# Altium PCB DM0255.PcbDoc
Units mm, origin at the board's own origin, x right, y up, seen from the top; angles counter-clockwise.
Board outline 28 x 23.86 mm, 4 copper layers (Top Copper, Signal Layer 1, Layer 1, Bottom Layer), stack 1.602 mm thick; 53 components, 28 nets, 182 pads, 122 vias.
Unrouted connection lines stored in the file: 43.
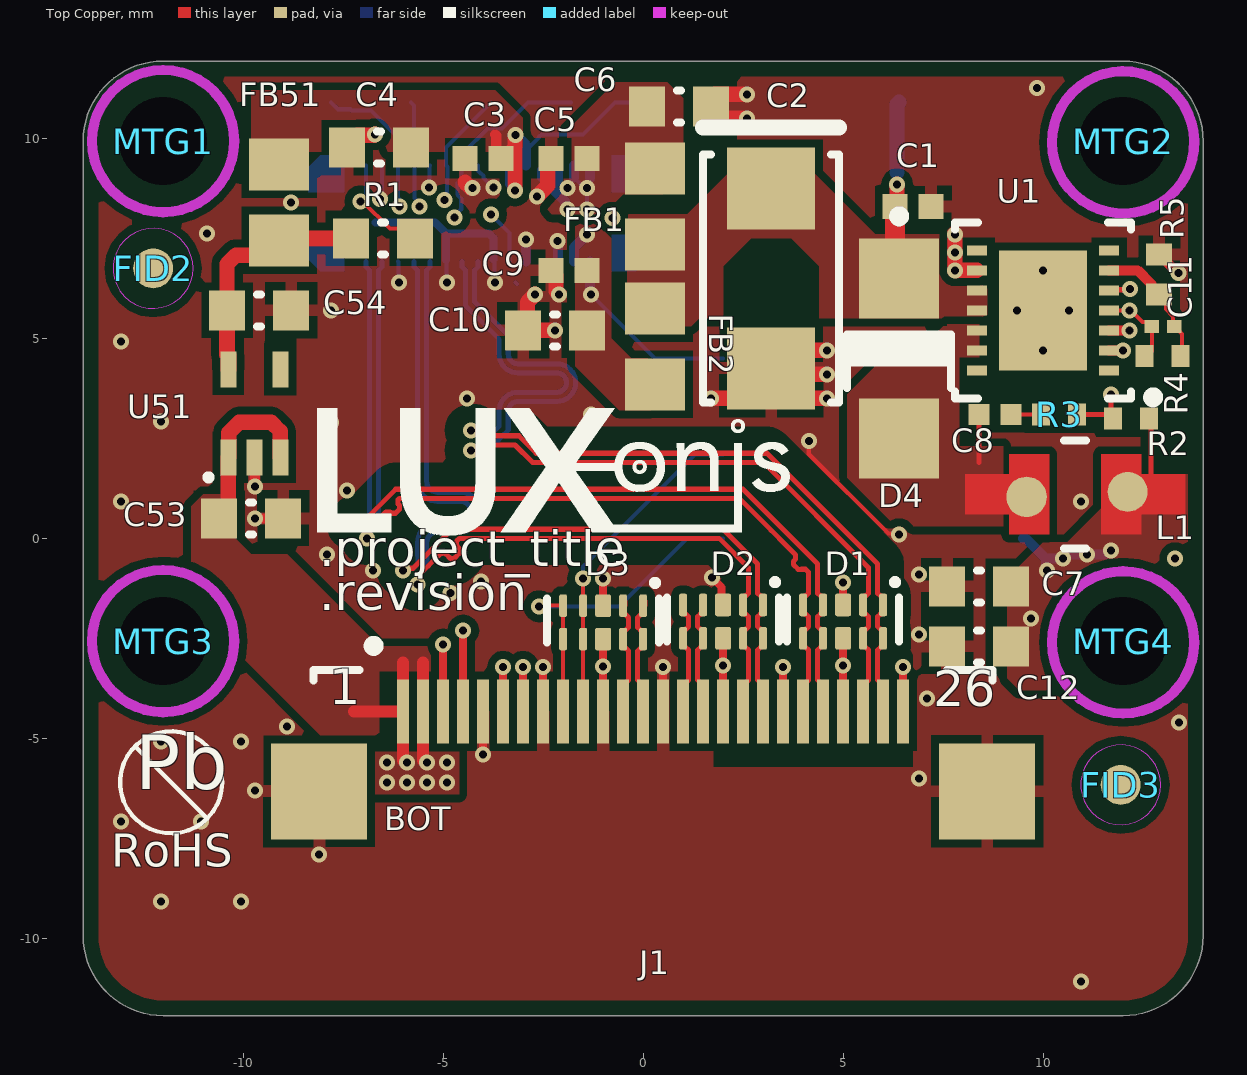
[diagram p0: Top Copper view]
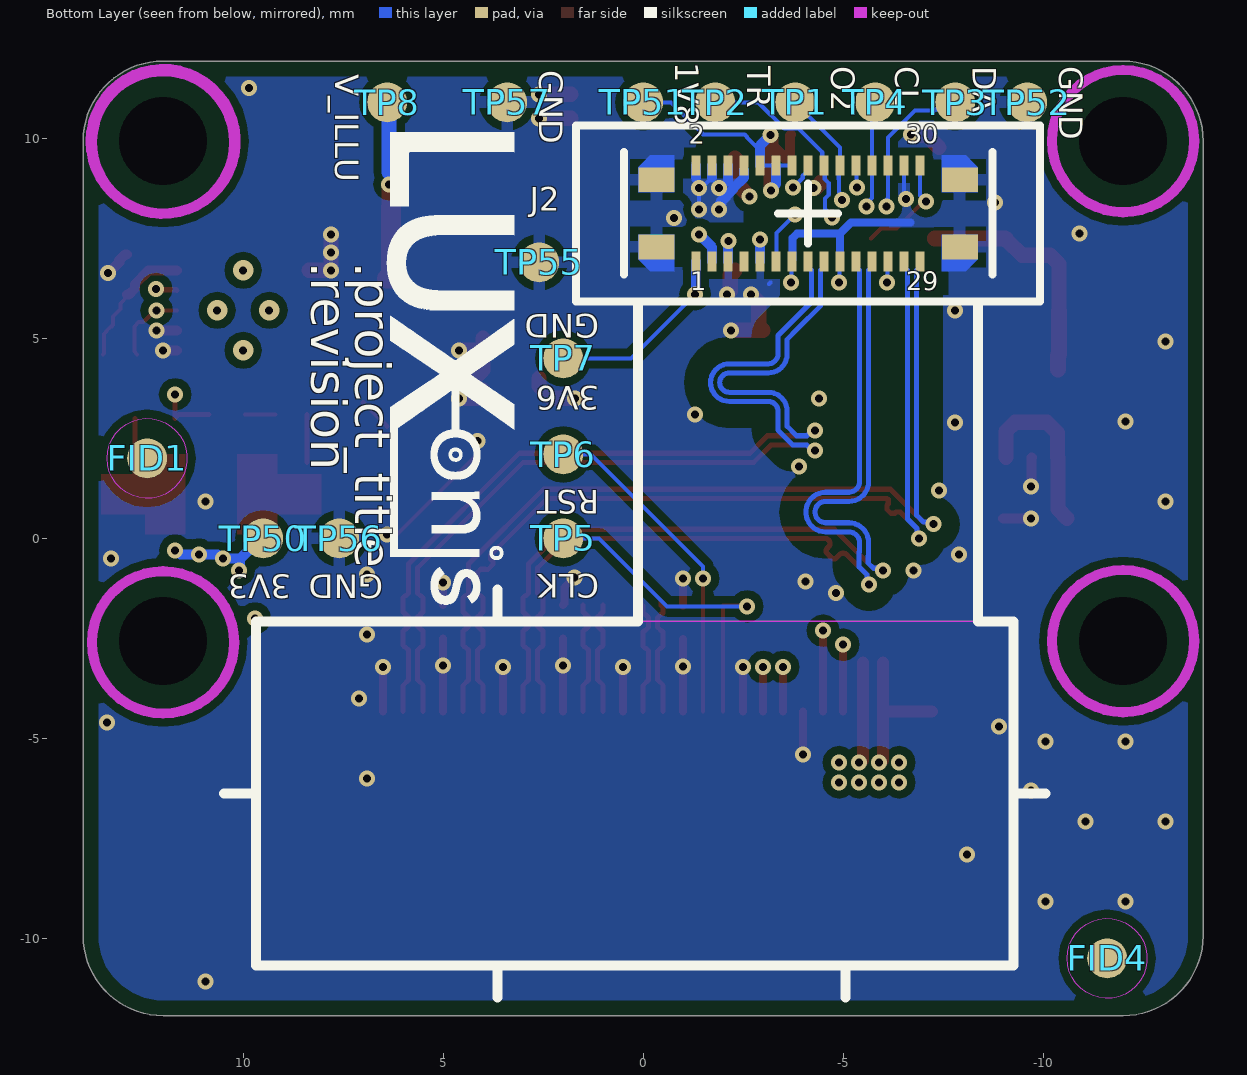
[diagram p1: Bottom Layer view, seen from below]
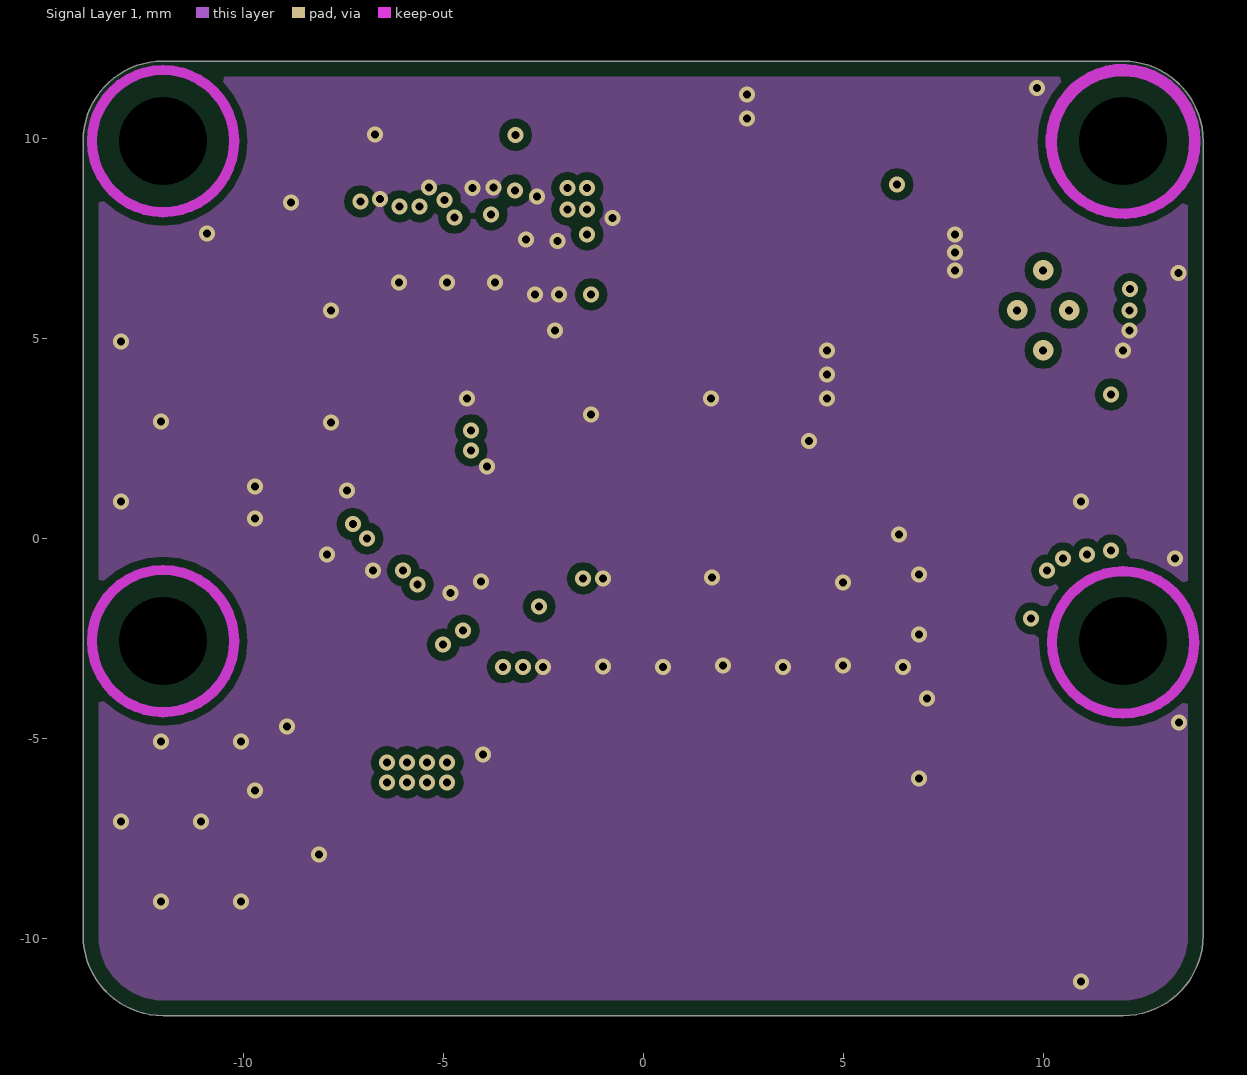
[diagram p2: Signal Layer 1]
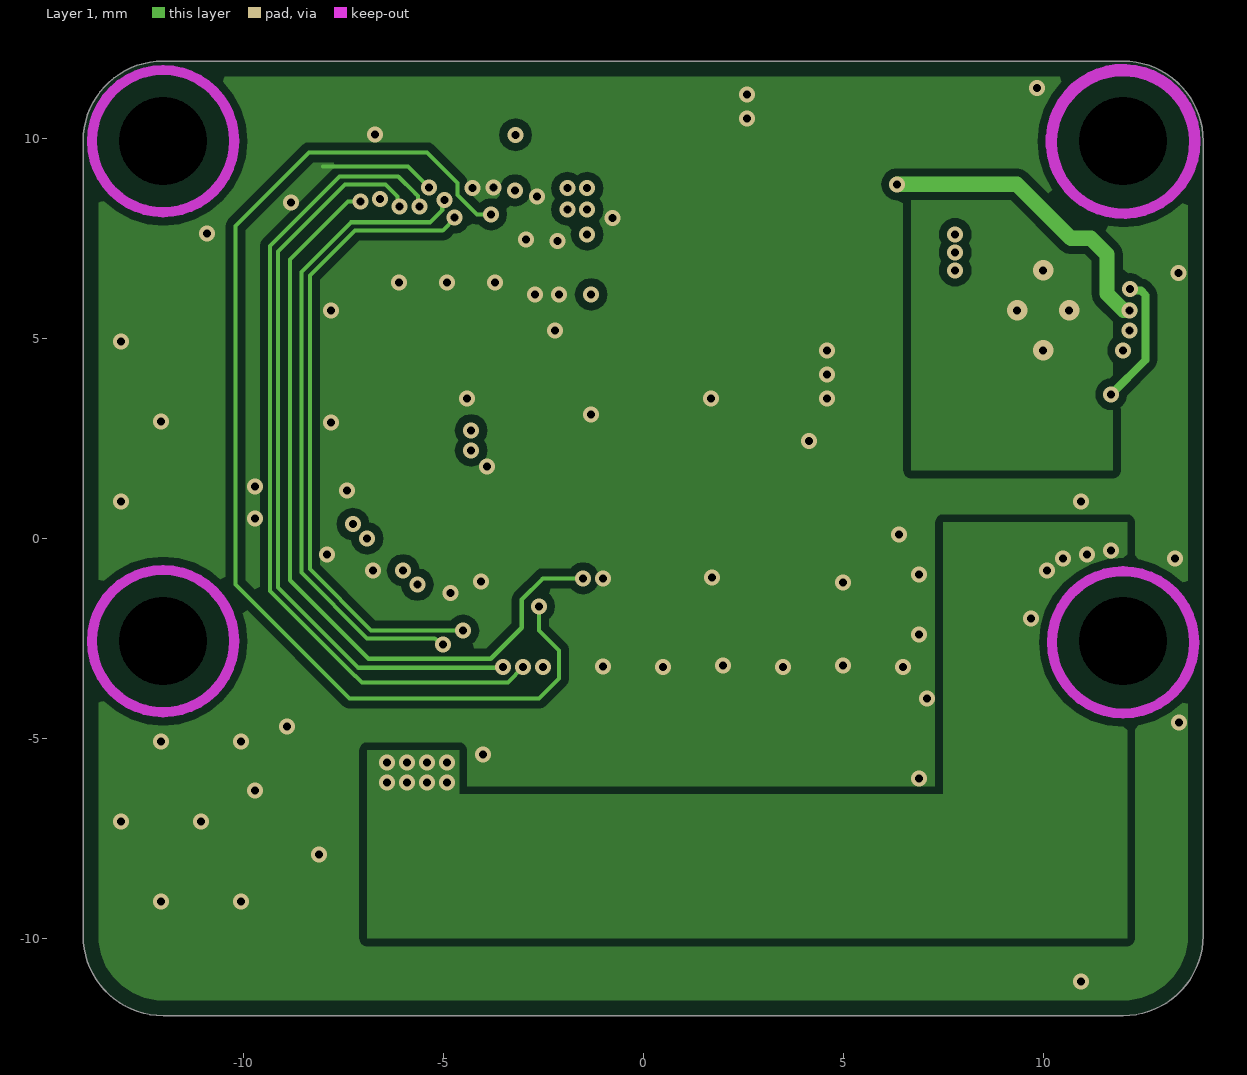
[diagram p3: Layer 1]

## Layer stack, top to bottom
Top Mask: solder mask 0.018, Solder Resist, Dk 4.2
Top Copper: signal copper 0.0356
Dielectric 1: prepreg 0.18, PP-021, Dk 4.2
Signal Layer 1: signal copper 0.0356
Core: core 1.1, Core-042, Dk 4.2
Layer 1: signal copper 0.0356
Dielectric 2: prepreg 0.18, PP-021, Dk 4.2
Bottom Layer: signal copper 0.0356
Bottom Solder: solder mask 0.018, Solder Resist, Dk 4.2

## Board outline
-14,-9.931 -14,9.931 cw(c-12,9.931) -12,11.931 12,11.931 cw(c12,9.931) 14,9.931 14,-9.931 cw(c12,-9.931) 12,-11.931 -12,-11.931 cw(c-12,-9.931)

## Design rules (kind name [scope] priority, off if disabled: settings)
AssemblyTestPointUsage [All] p1 off:
AssemblyTestpoint [All] p1 off: testpointundercomponent=TRUE minsize=1.016 maxsize=2.54 preferedsize=1.524 minholesize=0 maxholesize=1.016 preferedholesize=0.813 testpointgrid=0.025 usegrid=TRUE gridtolerance=0 allowsidetop=TRUE allowsidebottom=TRUE
BoardOutlineClearance [All] p1: gap=0.381 ignorepadtopadclearanceinfootprint=FALSE
Clearance "0.6plane clearence" [InPolygon vs InNetClass('SENSORMIPI')] p1: gap=0.6 ignorepadtopadclearanceinfootprint=FALSE except(0: Arc-Hole Track-Hole SMDPad-Hole THPad-Hole Via-Hole Fill-Hole Poly-Hole Region-Hole Text-Hole; 0.2: Arc-Via Track-Via SMDPad-Via THPad-Via Via-Via Via-Fill Via-Poly Via-Region Via-Text)
Clearance Poly [InPolygon] p2: gap=0.2 ignorepadtopadclearanceinfootprint=FALSE except(0: Arc-Hole Track-Hole SMDPad-Hole THPad-Hole Via-Hole Fill-Hole Poly-Hole Region-Hole Text-Hole)
Clearance [All] p3: gap=0.1 ignorepadtopadclearanceinfootprint=FALSE except(0: Arc-Hole Track-Hole SMDPad-Hole THPad-Hole Via-Hole Fill-Hole Poly-Hole Region-Hole Text-Hole)
ComponentClearance [All] p1 off: gap=0.254 collisioncheckmode=3 verticalgap=0.254 showdistances=FALSE
DiffPairsRouting DiffPair_SENSORMIPI_DiffPairsRouting [InDifferentialPairClass('SENSORMIPI')] p1: maxlimit=0.254 minlimit=0.102 mostfreqgap=0.254 toplayer_maxgap=0.102 toplayer_prefgap=0.102 toplayer_minwidth=0.127 toplayer_maxwidth=0.127 toplayer_prefwidth=0.127 bottomlayer_maxgap=0.102 bottomlayer_prefgap=0.102 bottomlayer_minwidth=0.127 bottomlayer_maxwidth=0.127 bottomlayer_prefwidth=0.127 impedanceprofiledriven=TRUE impedanceprofileid={A69A43D8-E903-443C-922A-36361071E35C} impedanceprofilevalue=100.000000 maxuncoupledlength=12.7
DiffPairsRouting [All] p2: maxlimit=0.254 minlimit=0.102 mostfreqgap=0.254 toplayer_maxgap=0.102 toplayer_prefgap=0.102 toplayer_minwidth=0.127 toplayer_maxwidth=0.127 toplayer_prefwidth=0.127 bottomlayer_maxgap=0.102 bottomlayer_prefgap=0.102 bottomlayer_minwidth=0.127 bottomlayer_maxwidth=0.127 bottomlayer_prefwidth=0.127 impedanceprofiledriven=TRUE impedanceprofileid={A69A43D8-E903-443C-922A-36361071E35C} impedanceprofilevalue=100.000000 maxuncoupledlength=12.7
FabricationTestPointUsage [All] p1 off: valid=0 allowmultiple=FALSE
FabricationTestpoint [All] p1 off: side=3 testpointundercomponent=TRUE minsize=1.016 maxsize=2.54 preferedsize=1.524 minholesize=0 maxholesize=1.016 preferedholesize=0.813 testpointgrid=0.025 allowsidetop=TRUE allowsidebottom=TRUE usegrid=TRUE gridtolerance=0
FanoutControl Fanout_BGA [IsBGA] p1 off: bgadir=Out bgaviamode=Centered fanoutstyle=Auto fanoutdirection=Alternating viagrid=0.025 // Fanout_BGA (Default Rule)
FanoutControl Fanout_LCC [IsLCC] p2 off: bgadir=Out bgaviamode=Centered fanoutstyle=Auto fanoutdirection=Alternating viagrid=0.025 // Fanout_LCC (Default Rule)
FanoutControl Fanout_SOIC [IsSOIC] p3 off: bgadir=Out bgaviamode=Centered fanoutstyle=Auto fanoutdirection=Alternating viagrid=0.025 // Fanout_SOIC (Default Rule)
FanoutControl Fanout_Small [(CompPinCount < 5)] p4 off: bgadir=Out bgaviamode=Centered fanoutstyle=Auto fanoutdirection=OutThenIn viagrid=0.025 // Fanout_Small (Default Rule)
FanoutControl Fanout_Default [All] p5 off: bgadir=Out bgaviamode=Centered fanoutstyle=Auto fanoutdirection=Alternating viagrid=0.025 // Fanout_Default (Default Rule)
Height [All] p1 off: minheight=0 maxheight=25.4 prefheight=12.7
HoleSize [All] p1 off: absolutevalues=TRUE maxlimit=2.54 minlimit=0.13 maxpercent=80.000 minpercent=20.000
HoleToHoleClearance [All] p1: gap=0.21 allowstackedmicrovias=TRUE
LayerPairs [All] p1 off: enforce=TRUE
Length "InNet('CAM1_C_P') Or InNet('CAM1_D1_P')" [InNet('CAM1_C_P') Or InNet('CAM1_D1_P')] p1: maxlimit=40.882 minlimit=0
MatchedLengths MatchedLengths-SENSORMIPI [InNetClass('SENSORMIPI')] p1: tolerance=0.25 checknetsindiffpair=TRUE checkdiffpairvsdiffpair=FALSE checkxsignals=FALSE checkothers=FALSE usedelayunits=TRUE delaytolerance=0.500000
MatchedLengths DiffPair_SENSORMIPI_MatchedLengths [InNetClass('SENSORMIPI')] p2: tolerance=0.5 checknetsindiffpair=FALSE checkdiffpairvsdiffpair=TRUE checkxsignals=TRUE checkothers=TRUE usedelayunits=TRUE delaytolerance=1.000000
MinimumSolderMaskSliver [All] p1 off: minsoldermaskwidth=0.254
PasteMaskExpansion [All] p1 off: expansion=0
PlaneClearance [All] p1: clearance=0.2
PlaneConnect via [IsVia] p1: planeconnectstyle=Direct reliefexpansion=0.508 reliefentries=4 reliefconductorwidth=0.254 reliefairgap=0.254
PlaneConnect [All] p2: planeconnectstyle=Relief reliefexpansion=0.3 reliefentries=4 reliefconductorwidth=0.4 reliefairgap=0.3
PolygonConnect PolygonConnect_pwr [InNet('NetC8_2') or InNet('V_ILLU') or InNet('3V6') or InNet('NetL2_1') or InNet('3V3') or InNet('V_ILLU_M')or InNet('3V6_M')or InNet('1V8_M')] p1: connectstyle=Direct reliefconductorwidth=0.254 reliefentries=4 polygonreliefangle="90 Angle" airgapwidth=0.254
PolygonConnect [All] p2: thpad.connectstyle=Direct thpad.reliefconductorwidth=0.3 thpad.reliefentries=4 thpad.polygonreliefangle="90 Angle" thpad.airgapwidth=0.2 smdpad.connectstyle=Relief smdpad.reliefconductorwidth=0.3 smdpad.reliefentries=4 smdpad.polygonreliefangle="90 Angle" smdpad.airgapwidth=0.2 via.connectstyle=Direct via.reliefconductorwidth=0.3 via.reliefentries=4 via.polygonreliefangle="90 Angle" via.airgapwidth=0.2
RoomDefinition DM0255_MTP006 [InComponentClass('DM0255_MTP006')] p1: confinementstyle=ConfineIn formatcopy=TRUE lockcomponents=FALSE outline -195.055,-73.08 -144.255,-73.08 -144.255,-47.68 -195.055,-47.68
RoomDefinition DM0255_Power [InComponentClass('DM0255_Power')] p2: confinementstyle=ConfineIn formatcopy=TRUE lockcomponents=FALSE outline -195.055,-73.08 -144.255,-73.08 -144.255,-47.68 -195.055,-47.68
RoutingCorners [All] p1 off: cornerstyle=45-Degree minsetback=2.54 maxsetback=2.54
RoutingPriority [All] p1 off: routingpriority=0
RoutingTopology [All] p1 off: topology=Shortest
RoutingVias RoutingVias_Diff [All] p1: holewidth=0.711 width=1.27 viastyle="Through Hole" minholewidth=0.711 minwidth=1.27 maxholewidth=0.711 maxwidth=1.27 useviatemplates=TRUE viatemplateguid#1={CE315756-BE6D-4D2C-8851-188A06EDA881} viatemplatename#1=v40h20m0mx0
RoutingVias [All] p2: holewidth=0.15 width=0.275 viastyle="Through Hole" minholewidth=0.2 minwidth=0.41 maxholewidth=1 maxwidth=2
SMDNeckDown [All] p1 off: percent=50.000
SilkToSilkClearance [All] p1 off: silktosilkclearance=0.254
SilkToSolderMaskClearance SilkscreenOverComponentPads [IsPad] p1 off: minsilkscreentomaskgap=0.254 clearancetoexposedcopper=TRUE
SolderMaskExpansion [All] p1 off: expansion=0.102 istentingtop=FALSE
Width [All] p1: maxlimit=5 minlimit=0.1 preferedwidth=0.1 minimp=50.000000 maximp=50.000000 favimp=50.000000
6 further rules are at their usual default settings.

## Classes and differential pairs
component class DM0255_MTP006: C3 C4 C5 C6 C9 C10 D1 D2 D3 FID1 FID2 FID3 FID4 J1 J2 MTG1 MTG2 MTG3 MTG4 R1 TP1 TP2 TP3 TP4 TP5 TP6
component class DM0255_Power: C1 C2 C7 C8 C11 C12 C53 C54 D4 FB1 FB2 FB51 L1 R2 R3 R4 R5 TP7 TP8 TP50 TP51 TP52 TP55 TP56 TP57 U1 U51
net class SENSORMIPI: MIPI_C_N MIPI_C_P MIPI_D0_N MIPI_D0_P MIPI_D1_N MIPI_D1_P
differential pair MIPI_C: +MIPI_C_P -MIPI_C_N
differential pair MIPI_D0: +MIPI_D0_P -MIPI_D0_N
differential pair MIPI_D1: +MIPI_D1_P -MIPI_D1_N
differential pair MIPI_D2: +MIPI_D2_P -MIPI_D2_N
differential pair MIPI_D3: +MIPI_D3_P -MIPI_D3_N

## Components (designator, comment, footprint, x,y, rotation, side; value= is the part's Value field where it differs from the comment)
C1 "4.7uF 0402" CAPC0402(1005)70_N 6.75,8.3 r180 top
C2 "TAJC107K010RNJ" AVX-TAJ-C-2_L 3.2,6.5 r270 top
C3 "0.1uF 0402" CAPC0402(1005)70_N -4,9.5 r0 top
C4 "10uF 0603" CAPC0603(1608)100_N -6.6,9.77 r0 top
C5 "0.1uF 0402" CAPC0402(1005)70_N -1.85,9.5 r0 top
C6 "10uF 0603" CAPC0603(1608)100_N 0.9,10.8 r180 top
C7 "22uF 0603" CAPC0603(1608)100_N 8.4,-1.2 r0 top
C8 "3.3pF 0402" CAPC0402(1005)60_L 8.8,3.1 r180 top
C9 "0.1uF 0402" CAPC0402(1005)70_N -1.85,6.7 r0 top
C10 "10uF 0603" CAPC0603(1608)100_N -2.2,5.2 r0 top
C11 "33pF 0201" CAPC0201(0603)33_L 13,5.3 r180 top
C12 "22uF 0603" CAPC0603(1608)100_N 8.4,-2.7 r0 top
C53 "10uF 0603" CAPC0603(1608)100_N -9.8,0.5 r180 top
C54 "10uF 0603" CAPC0603(1608)100_N -9.6,5.7 r180 top
D1 "TPD4E02B04DQAR" TPD4E02B04DQAR 5,-2.083 r180 top
D2 "TPD4E02B04DQAR" TPD4E02B04DQAR 2,-2.083 r180 top
D3 "TPD4E02B04DQAR" TPD4E02B04DQAR -1,-2.1 r180 top
D4 "MBRA340T3G" ONSC-SMA-2-403D-02_F_V 6.4,4.5 r270 top
FB1 "600R/100MHz" 2508056017Y2 0.3,8.3 r90 top
FB2 "600R/100MHz" 2508056017Y2 0.3,4.8 r270 top
FB51 "600R/100MHz" 2508056017Y2 -9.1,8.4 r90 top
FID1 "FIDUCIAL_ROUND_1MM" FIDUCIAL_ROUND_1MM 12.4,2 r180 bottom
FID2 "FIDUCIAL_ROUND_1MM" FIDUCIAL_ROUND_1MM -12.25,6.75 r90 top
FID3 "FIDUCIAL_ROUND_1MM" FIDUCIAL_ROUND_1MM 11.94,-6.16 r90 top
FID4 "FIDUCIAL_ROUND_1MM" FIDUCIAL_ROUND_1MM -11.6,-10.5 r90 bottom
J1 "FLEX CONNECTOR, 0.50MM PITCH, HE" F32R-1A7H1-11026 0.25,-5 r0 top
J2 "AXE530127" AXE530127 -4.125,8.125 r0 bottom locked
L1 "LQH32MN4R7K23L" FP-LQH32CH_23-MFG 10.8,1.1 r180 top
MTG1 "MOUNTING_HOLE_M2_RPI_CAM" MOUNTING_HOLE_M2_RPI_CAM -12,9.931 r90 top
MTG2 "MOUNTING_HOLE_M2_RPI_CAM" MOUNTING_HOLE_M2_RPI_CAM 12,9.931 r90 top locked
MTG3 "MOUNTING_HOLE_M2_RPI_CAM" MOUNTING_HOLE_M2_RPI_CAM -12,-2.569 r90 top
MTG4 "MOUNTING_HOLE_M2_RPI_CAM" MOUNTING_HOLE_M2_RPI_CAM 12,-2.569 r90 top locked
R1 "10K 0603" RESC0603(1608)_N -6.5,7.5 r180 top
R2 "90.9K 0402" RESC0402(1005)_L 12.2,3 r0 top
R3 "35.7K 0402" RESC0402(1005)_L 10.4,3.1 r180 top
R4 "40.2K 0402" RESC0402(1005)_L 12.982,4.553 r180 top
R5 "22.1K 0402" RESC0402(1005)_N 12.9,6.6 r270 top
TP1 "TP100_200_NS" TP100_200_NS -3.8,10.9 r180 bottom
TP2 "TP100_200_NS" TP100_200_NS -1.8,10.9 r180 bottom
TP3 "TP100_200_NS" TP100_200_NS -7.8,10.9 r90 bottom
TP4 "TP100_200_NS" TP100_200_NS -5.8,10.9 r90 bottom
TP5 "TP100_200_NS" TP100_200_NS 2,0 r180 bottom
TP6 "TP100_200_NS" TP100_200_NS 2,2.1 r180 bottom
TP7 "TP100_150_NS" TP100_150_NS 2,4.5 r90 bottom
TP8 "TP100_150_NS" TP100_150_NS 6.4,10.9 r180 bottom
TP50 "TP100_150_NS" TP100_150_NS 9.5,0 r90 bottom
TP51 "TP100_150_NS" TP100_150_NS 0,10.9 r180 bottom
TP52 "TP100_150_NS" TP100_150_NS -9.6,10.9 r180 bottom
TP55 "TP100_150_NS" TP100_150_NS 2.6,6.9 r180 bottom
TP56 "TP100_150_NS" TP100_150_NS 7.6,0 r90 bottom
TP57 "TP100_150_NS" TP100_150_NS 3.4,10.9 r90 bottom
U1 "LM2623LD" LDA14A 10,5.7 r180 top
U51 "TLV70018DCK" TLV70018DCK -9.721,3.125 r0 top

## Footprints (in the part's own frame and the unit in brackets; to place one, negate y for a bottom-side part, rotate by r counter-clockwise, add the part's x,y. Pads: shape width x height; smd on the part's side, far side on the other; paste and mask are expansions set on the pad)
2508056017Y2 [mm] "2508056017Y2 Chip Inductor, 2-Leads, Body 2.00x1.25mm"
  rect 1.3x1.5 smd: 1(-0.95,0) 2(0.95,0)
  body extent -1.1,-0.72 1.1,0.73, height 1.45
AVX-TAJ-C-2_L [mm] "Molded Capacitor, 2-Leads, Body 6.2x3.4mm, IPC High Density"
  rect 2.05x2.2 smd: 1(-2.25,0) 2(2.25,0)
  silkscreen extent -3.77,-1.7 3.1,1.7, body extent -3.32,-1.7 3.32,1.7, height 2.8
AXE530127 [mm]
  rect 0.23x0.5 smd paste-110: 1(2.8,1.2) 3(2.4,1.2) 4(2.4,-1.2) 5(2,1.2) 6(2,-1.2) 7(1.6,1.2) 8(1.6,-1.2) 9(1.2,1.2) 10(1.2,-1.2) 11(0.8,1.2) 12(0.8,-1.2) 13(0.4,1.2) 14(0.4,-1.2) 15(0,1.2) 16(0,-1.2) 17(-0.4,1.2) 18(-0.4,-1.2) 19(-0.8,1.2) 20(-0.8,-1.2) 21(-1.2,1.2) 22(-1.2,-1.2) 23(-1.6,1.2) 24(-1.6,-1.2) 25(-2,1.2) 26(-2,-1.2) 27(-2.4,1.2) 28(-2.4,-1.2) 29(-2.8,1.2) 30(-2.8,-1.2)
  rect 0.23x0.5 smd paste-110 mask+0.102: 2(2.8,-1.2)
  rect 0.9x0.62 smd paste-100 mask-100: 31(3.795,-0.84) 32(-3.795,-0.84) 33(3.795,0.84) 34(-3.795,0.84)
  Top Copper region: -4.245,1.15 -3.945,1.45 -3.345,1.45 -3.345,0.53 -3.345,0.53 -4.245,0.53
  Top Copper region: -4.245,-1.15 -3.945,-1.45 -3.345,-1.45 -3.345,-0.53 -3.345,-0.53 -4.245,-0.53
  Top Copper region: 4.245,-1.15 3.945,-1.45 3.345,-1.45 3.345,-0.53 3.345,-0.53 4.245,-0.53
  Top Copper region: 4.245,1.15 3.945,1.45 3.345,1.45 3.345,0.53 3.345,0.53 4.245,0.53
  Top Copper keep-out region: -4.3,10.2 4.2,10.2 4.2,2.2 -4.3,2.2
  Top Copper keep-out region: -5.13,18.8 13.8,18.8 13.8,10.2 -5.13,10.2
  silkscreen extent -5.93,-2.2 14.6,19.6, body extent -5.7,-2.2 13.83,18.8, height 8.56
CAPC0201(0603)33_L [mm] "Chip Capacitor, Body 0.6x0.3mm, Height 0.33mm, IPC High Density"
  rect 0.36x0.32 smd: 1(-0.28,0) 2(0.28,0)
  body extent -0.32,-0.17 0.32,0.17, height 0.33
CAPC0402(1005)60_L [mm] "Chip Capacitor, Body 1.0x0.5mm, Height 0.6mm, IPC High Density"
  rect 0.52x0.52 smd: 1(-0.4,0) 2(0.4,0)
  body extent -0.55,-0.3 0.55,0.3, height 0.6
CAPC0402(1005)70_N [mm] "Chip Capacitor, Body 1.0x0.5mm, Height 0.7mm, IPC Medium Density"
  rect 0.62x0.62 smd: 1(-0.45,0) 2(0.45,0)
  body extent -0.55,-0.3 0.55,0.3, height 0.7
CAPC0603(1608)100_N [mm] "Chip Capacitor, Body 1.6x0.8mm, Height 1.0mm, IPC Medium Density"
  rect 0.9x1 smd: 1(-0.8,0) 2(0.8,0)
  silkscreen extent -0.05,-0.4 0.05,0.4, body extent -0.87,-0.48 0.88,0.47, height 1
F32R-1A7H1-11026 [mm] "26pin Molex FFC 0.5mm Bottom"
  rect 0.3x1.6 smd: 1(-6.25,0.675) 2(-5.75,0.675) 3(-5.25,0.675) 4(-4.75,0.675) 5(-4.25,0.675) 6(-3.75,0.675) 7(-3.25,0.675) 8(-2.75,0.675) 9(-2.25,0.675) 10(-1.75,0.675) 11(-1.25,0.675) 12(-0.75,0.675) 13(-0.25,0.675) 14(0.25,0.675) 15(0.75,0.675) 16(1.25,0.675) 17(1.75,0.675) 18(2.25,0.675) 19(2.75,0.675) 20(3.25,0.675) 21(3.75,0.675) 22(4.25,0.675) 23(4.75,0.675) 24(5.25,0.675) 25(5.75,0.675) 26(6.25,0.675)
  rect 2.4x2.4 smd: MP1(-8.35,-1.325) MP2(8.35,-1.325)
  silkscreen extent -8.49,1.45 8.49,2.44, body extent -10.16,-4.47 10.14,1.03, height 2.08
FIDUCIAL_ROUND_1MM [mm] "Round, 1mm dia"
  round 1 smd paste-1 mask+0.5: 1(0,0)
  Top Copper keep-out circle w0.025: c0,0 r1
FP-LQH32CH_23-MFG [mm] "Chip Inductor, 2-Leads, Body 2.40x2.00mm, IPC High Density"
  round 0.995 smd paste+0 mask+0: 1(-1.312,-0.062)
  round 1.012 smd paste+0 mask+0: 2(1.212,0.062)
  Top Copper region: -1.65,-1 -1.65,-0.5 -2.75,-0.5 -2.75,0.5 -1.65,0.5 -1.65,1 -0.65,1 -0.65,-1
  Top Copper region: 0.65,-1 0.65,1 1.65,1 1.65,0.5 2.75,0.5 2.75,-0.5 1.65,-0.5 1.65,-1
  silkscreen extent -0.27,-1.35 0.27,1.35, body extent -2.85,-1.45 2.85,1.45, height 0.25
LDA14A [mm] "PSON, 14-Leads, Body 4x4mm, Pitch 0.5mm, NSC Recommended"
  rect 0.5x0.25 smd paste-0.125 mask+0.051: 1(-1.65,1.5) 2(-1.65,1) 3(-1.65,0.5) 4(-1.65,0) 5(-1.65,-0.5) 6(-1.65,-1) 7(-1.65,-1.5) 8(1.65,-1.5) 9(1.65,-1) 10(1.65,-0.5) 11(1.65,0) 12(1.65,0.5) 13(1.65,1) 14(1.65,1.5)
  rect 2.2x3 smd paste-1.3 mask+0.051: 15(0,0)
  silkscreen extent -2.88,-2.2 2.2,2.3, body extent -2.05,-2.05 2.05,2.05, height 0.8
MOUNTING_HOLE_M2_RPI_CAM [mil] "NPTH 2.2mm Hole Used in Raspberry Pi Camera"
  round 60 hole 86.61 unplated: 1(0,0)
ONSC-SMA-2-403D-02_F_V [mm] "Molded, 2-Leads, Body 4.32x2.6mm"
  rect 2x2 smd: 1(-2,0) 2(2,0)
  silkscreen extent -3.67,-1.3 0.74,1.3, body extent -2.16,-1.3 2.16,1.3, height 2.2
RESC0402(1005)_L [mm] "Chip Resistor, Body 1.0x0.5mm, IPC High Density"
  rect 0.45x0.55 smd: 1(-0.45,0) 2(0.45,0)
  body extent -0.52,-0.27 0.53,0.28, height 0.4
RESC0402(1005)_N [mm] "Chip Resistor, Body 1.0x0.5mm, IPC Medium Density"
  rect 0.55x0.65 smd: 1(-0.5,0) 2(0.5,0)
  body extent -0.52,-0.27 0.53,0.28, height 0.4
RESC0603(1608)_N [mm] "Chip Resistor, Body 1.6x0.8mm, IPC Medium Density"
  rect 0.9x1 smd: 1(-0.8,0) 2(0.8,0)
  silkscreen extent -0.05,-0.4 0.05,0.4, body extent -0.85,-0.47 0.85,0.47, height 0.6
TLV70018DCK [mm] "SC70-5 1.1mm"
  rect 0.4x0.9 smd paste-0.025 mask+0.05: 1(-0.65,-1.1) 2(0,-1.1) 3(0.65,-1.1) 4(0.65,1.1) 5(-0.65,1.1)
  silkscreen extent -1.17,-1.63 -1.12,-1.57, body extent -1.1,-1.2 1.1,1.2, height 1.1
TP100_150_NS [mm] "1mm dia pad, 1.5mm clearance, no silk screen"
  round 1 smd paste-2: 1(0,0)
TP100_200_NS [mm] "1mm dia pad, 2mm dia clearance, no silk screen"
  round 1 smd paste-2: 1(0,0)
TPD4E02B04DQAR [mm] "TPD4E02B04DQAR"